# KiCad board panel.kicad_pcb (continued)
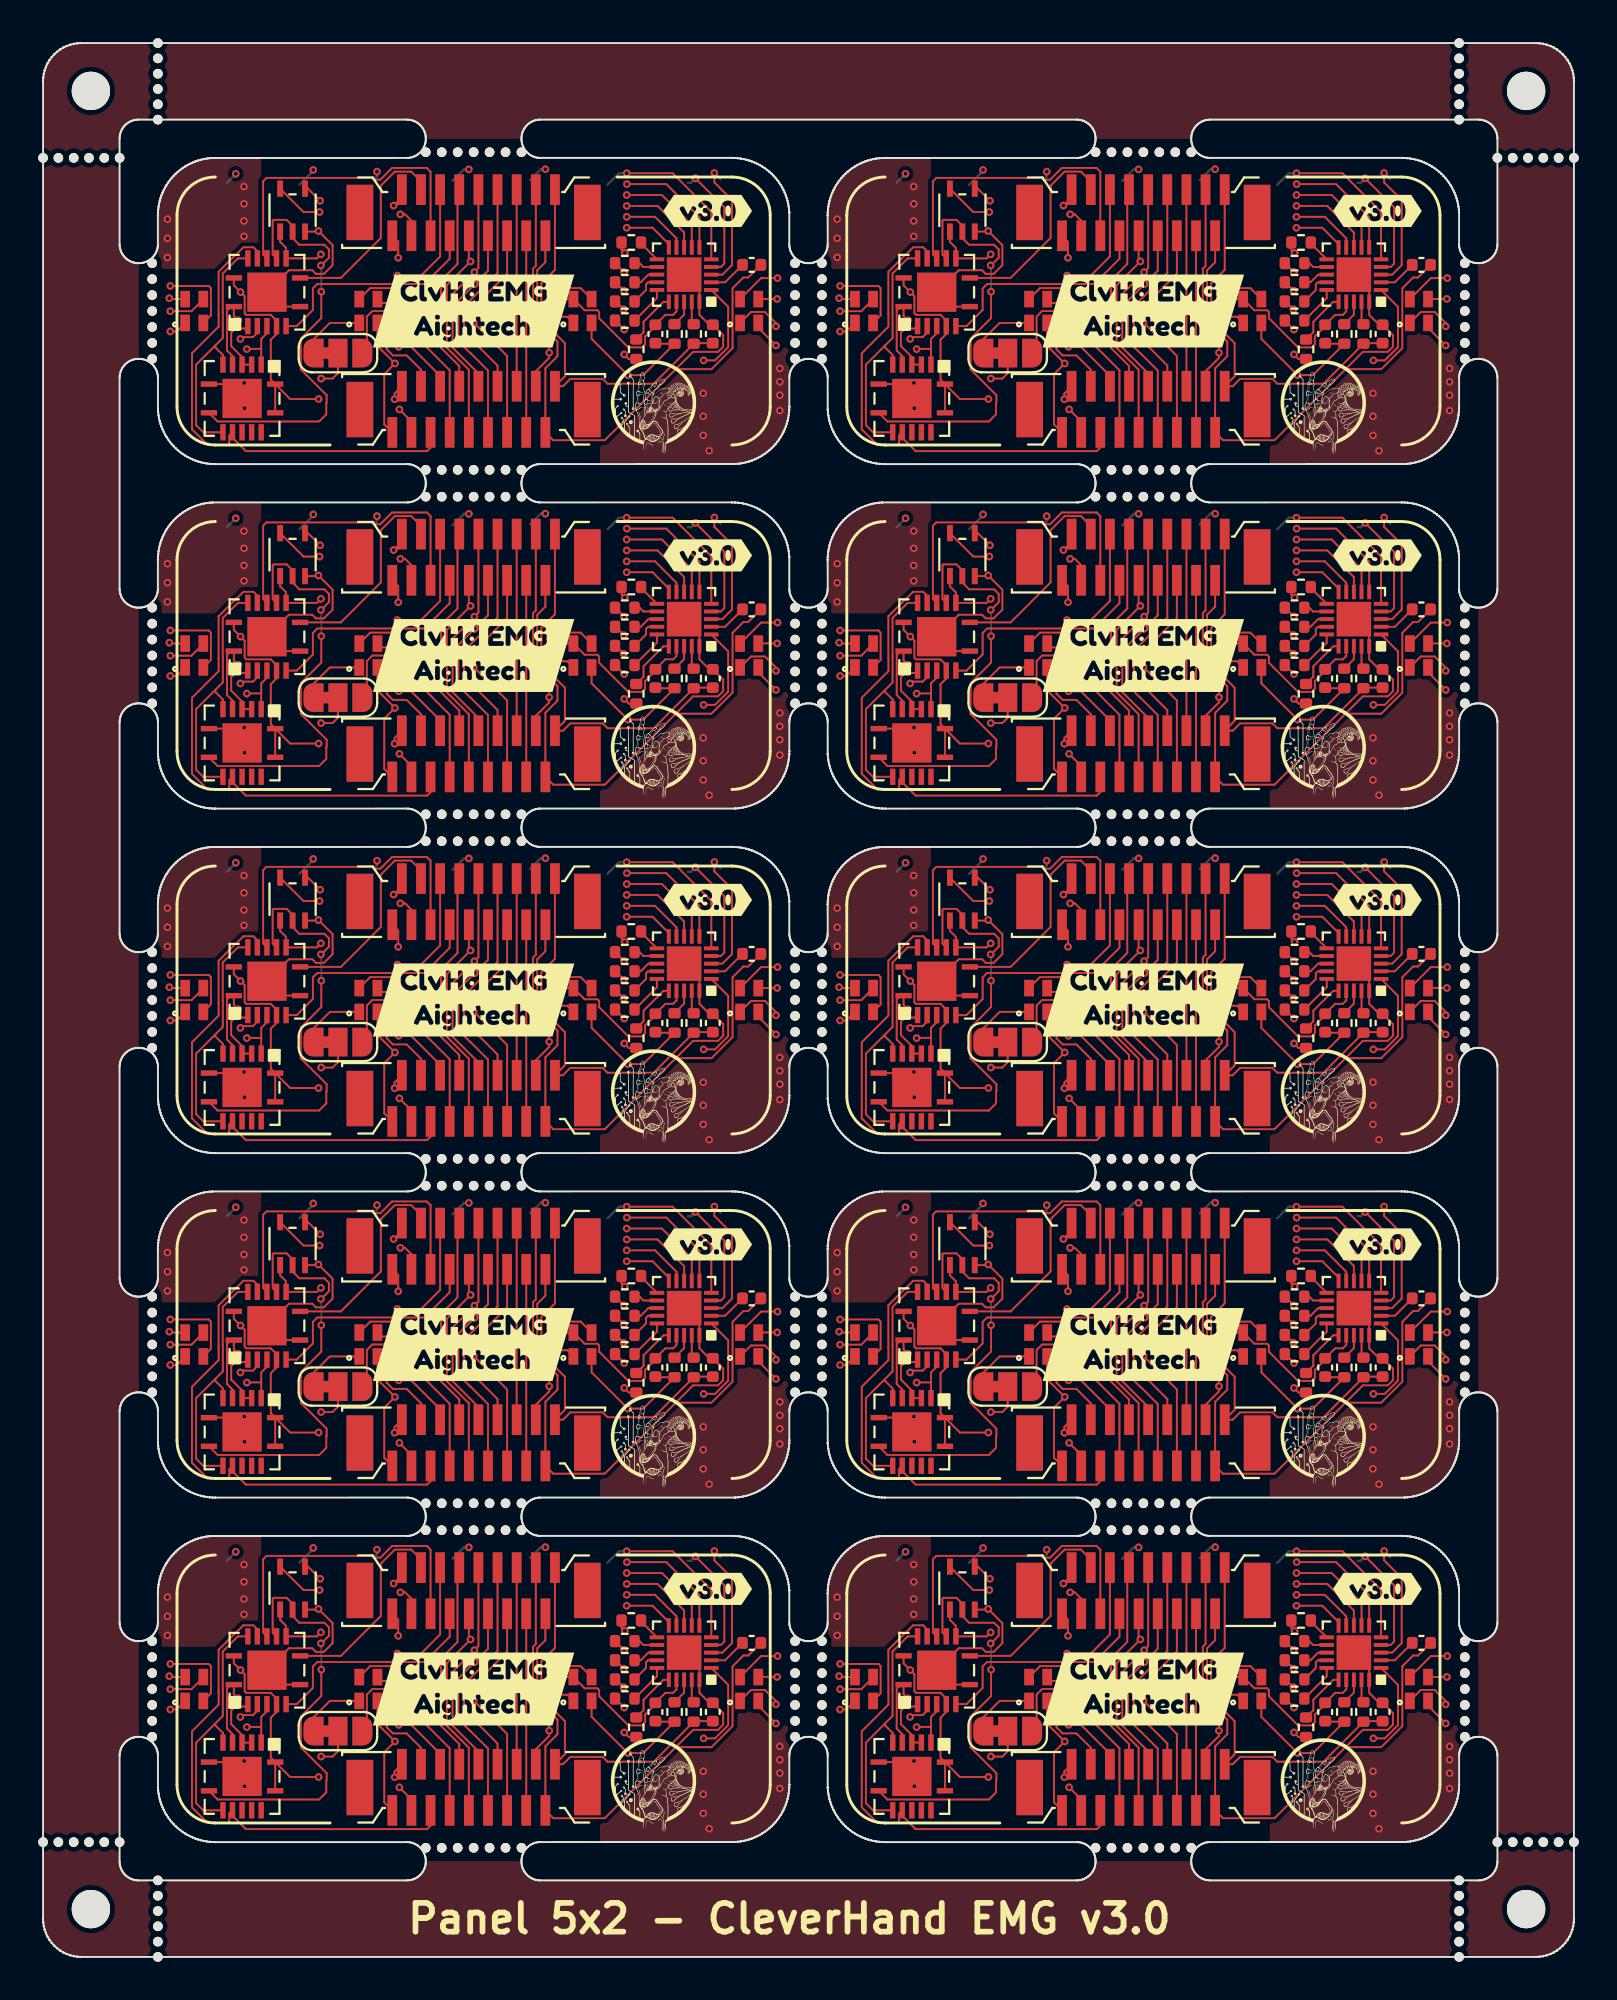
[diagram p0: board, top side]
## Routing (per net, layer and track width the routed paths; a pad name or vN(x,y) marks a point on that pad's centre or on a via; arc(x,y) is an arc through that point) (continued)
  In2.Cu w0.1: v1(65.37,29.73) 64.7,30.4 v1(57.5,30.4)
Board_7-/NEO_IN: length 17.9
  Front w0.1: v1(53.62,26.86) 54.25,26.23 J1#8.3 ; D1#8.1 41.98,30.93 v1(41.65,30.93)
  In2.Cu w0.1: v1(41.65,30.93) 42.22,30.93 48.43,24.72 51.48,24.72 v1(53.62,26.86)
Board_7-/NEO_OUT: length 34.6
  Front w0.1: v1(53.67,37.05) 53.92,37.05 54.25,36.72 J2#10.16 ; JP1#2.3 51.92,30.01 51.92,31.71 52.21,32 53.03,32 53.19,31.84 v1(53.41,31.84) ; v1(73.36,32.63) 72.38,32.63 D4#2.3
  In2.Cu w0.1: v1(53.41,31.84) 52.96,32.29 52.96,33.27 53.1,33.41 54.1,33.41 54.49,33.8 54.49,36.23 v1(53.67,37.05) 55.53,35.19 63.54,35.19 64.16,34.57 65.97,34.57 67.89,32.65 73.34,32.65 v1(73.36,32.63)
Board_7-/S0: length 11.9
  Front w0.1: U2#9.6 48.26,31.21 49.1,32.05 49.1,33.18 49.33,33.41 54.93,33.41 56.25,34.73 J2#10.12
Board_7-/S1: length 19.1
  Front w0.1: v1(53.51,33.85) 54.75,33.85 55.75,34.85 J2#10.13 ; v1(45.31,30.54) 45.41,30.64 45.97,30.64 46.2,30.87 U2#9.3
  In2.Cu w0.1: v1(53.51,33.85) 51.97,35.39 49.1,35.39 46.15,32.44 46.15,31.1 45.59,30.54 v1(45.31,30.54)
Board_7-/S2: length 16.7
  Front w0.1: J2#10.14 55.25,39.28 55.05,39.47 53.24,39.47 52.62,38.86 52.28,38.86 52.18,38.95 46.67,38.95 46.5,38.78 46.5,34.95 U2#9.11
Board_7-/S3: length 10.9
  Front w0.1: J2#10.15 54.75,38.77 54.24,39.28 53.38,39.28 52.65,38.55 52.65,35.82 50.56,33.73 U2#9.8
Board_7-/SCK: length 20.2
  Front w0.1: v1(65.36,34.04) 64.9,34.5 R5#8.2 ; J2#10.10 57.25,34.68 v1(57.34,34.59) 56.1,33.35 56.1,30.08 57.25,28.93 J1#8.9
  In2.Cu w0.1: v1(57.34,34.59) 57.37,34.56 63.34,34.56 63.86,34.04 v1(65.36,34.04)
Board_7-/SDI: length 20.2
  Front w0.1: J2#10.9 57.75,34.24 v1(57.54,34.03) 56.4,32.89 56.4,30.09 57.75,28.74 J1#8.10 ; R4#2.2 64.91,33.5 v1(65.35,33.06)
  In2.Cu w0.1: v1(57.54,34.03) 63.37,34.03 64.34,33.06 v1(65.35,33.06)
Board_7-/SDO: length 20.5
  Front w0.1: J1#8.11 58.25,28.89 57.34,29.8 57.33,29.8 56.7,30.43 56.7,32.55 v1(57.56,33.41) 58.25,34.1 J2#10.8 ; v1(65.34,32.09) 64.93,32.5 R3#9.2
  In2.Cu w0.1: v1(57.56,33.41) 62.72,33.41 64.04,32.09 v1(65.34,32.09)
Board_7-GND: length 29.1
  Front w0.1: U4#5.15 45.4,28.13 v1(45.51,28.24) ; U4#5.15 44.65,28.18 U4#5.7 ; U4#5.15 45.4,27.05 v1(45.53,26.92) ; v1(73.38,33.72) 72.52,33.72 71.42,32.62 ; v1(53.5,32.99) 53.3,33.19 52.1,33.19 D2#4.4 ; v1(61.5,32.3) 61.82,32.62 62.72,32.62 63.3,32.04 63.97,32.04 64.06,31.95 64.06,31.62 65.58,30.1 66.3,30.1 66.46,30.26 66.46,30.67 67,31.21 C2#4.2 67.52,31.8 67.93,31.8 68.1,31.97 U1#3.17 ; D1#8.4 41.64,32.62 v1(41.6,32.67) ; J1#8.2 53.37,27.69 v1(53.37,27.39) ; U5#8.3 49.36,36.15 v1(49.39,36.18) 50.13,35.44 50.13,34.4 49.67,33.94 49.26,33.94 49.07,34.13 47.85,34.13 U2#9.15 47.45,32.23 48.11,32.23 ; v1(53.32,37.51) 53.75,37.94 J2#10.17
  vias: v1(41.5,36.8) v1(41.5,35.8) v1(41.5,34.8) v1(45.5,38.5) v1(45.5,37.6) v1(45.5,36.7) v1(45.5,35.9) v1(69.5,27.7) v1(69.5,26.5) v1(69.5,25.5) v1(69.81,24.7) v1(73.5,29) v1(73.5,28.3) v1(73.5,27.6) v1(73.5,26.8)
Board_7-GNDA: length 35.9
  Front w0.1: J2#10.2 61.25,34.55 60.82,34.12 60.82,31.46 61.88,30.4 61.88,29.64 61.25,29.01 J1#8.17 61.66,25.25 64.35,25.25 68.97,29.87 70.27,29.87 70.54,30.13 70.54,30.74 C1#3.1 69.82,31.28 69.3,31.8 U1#3.20 69.3,33.1 U1#3.21 ; 68.08,28.96 69.93,28.96 71.03,30.06 71.03,33.19 71.6,33.75 71.85,33.75 C3#3.2
Board_7-Net-(D1-Pad3): length 13.4
  Front w0.1: v1(41.65,31.99) 42.76,31.99 43.38,32.61 D1#8.3 ; JP1#2.2 50.41,28.75 50.13,28.47 v1(49.53,28.47)
  In2.Cu w0.1: v1(41.65,31.99) 44.98,28.66 49.34,28.66 v1(49.53,28.47)
Board_7-Net-(D2-Pad1): length 3.5
  Front w0.1: JP1#2.1 49.11,30.5 49.99,31.38 D2#4.1
Board_7-Net-(D2-Pad3): length 10.8
  Front w0.1: v1(61.5,31.7) 62.39,31.7 62.72,31.38 ; v1(53.61,32.42) 52.68,32.42 D2#4.3
  In2.Cu w0.1: v1(61.5,31.7) 61.2,32 54.03,32 v1(53.61,32.42)
Board_7-Net-(D3-Pad3): length 18.2
  Front w0.1: 71.42,31.38 72,31.95 72.72,31.95 73.3,31.37 v1(73.3,31.2) ; D3#4.3 63.09,33.19 61.79,33.19 v1(61.5,32.9)
  In2.Cu w0.1: v1(61.5,32.9) 62.88,31.52 66.14,31.52 66.98,32.36 72.14,32.36 v1(73.3,31.2)
Board_7-Net-(J1-Pad8): length 11.1
  Front w0.1: J1#8.8 56.75,29.12 55.8,30.07 55.8,33.6 56.66,34.46 56.66,38.25 J2#10.11
Board_7-Net-(J1-Pad14): length 10.3
  Front w0.1: J1#8.14 J2#10.5
Board_7-Net-(J1-Pad15): length 10.3
  Front w0.1: J1#8.15 J2#10.4
Board_7-Net-(R1-Pad1): length 2.8
  Front w0.1: R1#7.1 66.38,30.89 66.38,31.44 67.42,32.48 U1#3.16
Board_7-Net-(R2-Pad1): length 2.1
  Front w0.1: R2#2.1 67.08,32.67 U1#3.15
Board_7-Net-(R3-Pad1): length 1.8
  Front w0.1: U1#3.14 66.62,33.5 66.51,33.39 66.51,33.1 R3#9.1
Board_7-Net-(R4-Pad1): length 1.3
  Front w0.1: R4#2.1 66.23,33.5 66.63,33.9 U1#3.13
Board_7-Net-(R5-Pad1): length 1.3
  Front w0.1: U1#3.12 66.37,34.3 66.17,34.5 R5#8.1
Board_7-Net-(R6-Pad1): length 1.2
  Front w0.1: U1#3.11 66.25,35.53 R6#4.1
Board_7-Net-(R7-Pad1): length 1.2
  Front w0.1: R7#10.1 68.9,31.41 U1#3.19
Board_7-Net-(R8-Pad1): length 1.4
  Front w0.1: U1#3.18 68.5,31.81 R8#9.1
Board_7-Net-(U1-Pad2): length 2
  Front w0.1: U1#3.2 70.64,33.5 C3#3.1
Board_8-+3.3V: length 77.7
  Front w0.1: v1(14.45,19.17) 13.61,19.17 U5#3.5 ; U4#8.1 U4#8.14 ; U4#8.1 12.91,9.4 v1(14.4,9.4) ; U4#8.1 11.9,10.41 11.9,12.5 12.2,12.8 12.2,13.5 11.9,13.8 10.62,13.8 10.53,13.88 10.53,14.78 v1(10.32,14.99) 9.97,15.34 U2#3.14 ; D2#3.2 17.48,12.17 v1(18.39,11.26) 17.83,10.7 17.83,8.08 J1#2.1 ; J2#8.18 18.56,17.62 v1(18.56,16.78) ; v1(38.3,12.2) 37.35,13.15 37.35,13.35 ; C2#10.1 32.03,12.29 R8#3.2 31.36,10.65 v1(30.56,10.65) 28.66,12.55 28.66,13.38 ; D1#9.2 8.77,13.77 8.77,15.19 8.66,15.31 v1(6.65,15.31)
  In2.Cu w0.1: v1(14.4,9.4) 16.53,9.4 v1(18.39,11.26) 18.39,10.09 19.36,9.12 29.3,9.12 30.56,10.38 v1(30.56,10.65) 30.58,10.63 36.73,10.63 v1(38.3,12.2) ; v1(6.65,15.31) 10,15.31 v1(10.32,14.99) 10.32,15.04 v1(14.45,19.17) 16.17,19.17 v1(18.56,16.78)
Board_8-+3.3VA: length 20.7
  Front w0.1: C1#7.2 34.03,12.32 R7#5.2 31.91,10.2 29.5,10.2 29.25,10.45 27.55,10.45 27.17,10.07 J1#2.18 27.27,10.59 27.27,12.32 26.04,13.55 26.04,15.44 26.75,16.15 J2#8.1
Board_8-/A0: length 17.8
  Front w0.1: J1#2.7 21.25,10.9 19.45,12.7 v1(18.43,12.7) ; 11.4,12.02 10.66,12.02 v1(10.65,12.01) ; 11.4,12.02 11.4,12.54 11.7,12.84 U2#3.4 ; 11.4,12.02 U4#8.2
  In2.Cu w0.1: v1(18.43,12.7) 16.45,12.7 15.85,12.1 10.74,12.1 v1(10.65,12.01)
Board_8-/A1: length 18.5
  Front w0.1: v1(18.59,12.13) 19.24,12.13 20.75,10.62 J1#2.6 ; v1(10.2,13.51) 9.97,13.74 U2#3.1 9.82,14.23 9.61,14.02 9.61,11.94 9.9,11.65 U4#8.5
  In2.Cu w0.1: v1(18.59,12.13) 17.04,12.13 16.31,11.4 10.39,11.4 9.88,11.91 9.88,13.19 v1(10.2,13.51)
Board_8-/A2: length 26.6
  Front w0.1: J1#2.5 20.25,6.86 20.07,6.68 10.6,6.68 9.9,7.38 U4#8.10 9.73,7.49 9.73,7.05 9.68,7 8.6,7 7.78,7.82 7.78,11.79 9.18,13.19 9.18,13.85 9.17,13.85 9.17,16.05 10.09,16.97 10.11,16.97 10.47,17.33 10.99,17.33 11.2,17.12 U2#3.12
Board_8-/A3: length 16.2
  Front w0.1: v1(18.63,13.28) 18.25,13.28 18.21,13.24 18.21,13.24 17.96,12.99 17.96,12 18.28,11.68 19,11.68 19.75,10.93 J1#2.4 ; v1(14.52,16.96) 14.31,16.75 U2#3.9 12.7,17.3 12.39,17.61 12.39,18.01
  In2.Cu w0.1: v1(18.63,13.28) 18.58,13.23 15.03,13.23 14.02,14.24 14.02,16.47 14.51,16.96 v1(14.52,16.96)
Board_8-/carry0: length 3.4
  Front w0.1: U2#3.2 10.58,13.09 10.05,13.09 9.83,12.87 9.83,12.17 10.4,11.6 U4#8.4 U4#8.3
Board_8-/carry1: length 12.9
  Front w0.1: 9,12.2 9.39,12.59 9.39,13.94 9.39,13.94 9.39,15.96 10.18,16.75 U2#3.13 ; 9,12.2 9,12.1 9.4,11.7 U4#8.6 ; 9,12.2 8,11.2 8,8.03 8.37,7.66 U4#8.9
Board_8-/carry2: length 22.5
  Front w0.1: U2#3.10 12,16.95 12,18.71 12.05,18.76 12.73,18.76 13.04,18.45 13.04,18.01 ; U4#8.8 9.12,8.23 14.43,8.23 14.8,8.6 14.8,9.21 14.82,9.23 14.82,9.6 13.47,10.95 13.47,12.56 14.54,13.63 v1(14.54,15.01) ; v1(14.52,16.38) 14.53,16.38 14.94,16.79 14.94,17.22 14.7,17.46 13.39,17.46 13.04,17.81 U5#3.2
  Back w0.1: v1(14.54,15.01) 14.54,16.36 v1(14.52,16.38)
Board_8-/CH0: length 6.9
  Front w0.1: U1#5.3 35.5,15.9 36,16.4 36,19.8 35.08,20.72 v1(35.08,21.21)
  Back w0.127: v1(35.08,21.21) 35.4,20.89
Board_8-/CH1: length 6.3
  Front w0.1: v1(34.09,20.93) 35.6,19.42 35.6,16.47 35.43,16.3 U1#5.4
  Back w0.127: 33.7,20.7 33.86,20.7 v1(34.09,20.93)
Board_8-/CH2: length 9
  Front w0.1: U1#5.5 34.92,19.18 32.9,21.2 v1(30.5,21.2)
  Back w0.127: 29.5,20.6 30.1,21.2 v1(30.5,21.2)
Board_8-/CH3: length 11.7
  Front w0.1: U1#5.6 34.3,18.9 32.57,20.63 v1(30.51,20.63)
  In2.Cu w0.1: v1(30.51,20.63) 30.48,20.6 27.06,20.6 v1(26.25,21.41)
  Back w0.127: 25.45,20.85 26.01,21.41 v1(26.25,21.41)
Board_8-/CH4: length 15.2
  Front w0.1: v1(30.5,20.06) 32.34,20.06 33.9,18.5 U1#5.7
  In2.Cu w0.1: v1(30.5,20.06) 30.44,20 26.67,20 25.21,21.46 22.31,21.46 v1(22.25,21.4)
  Back w0.127: v1(22.25,21.4) 22,21.4 21.4,20.8
Board_8-/CH5: length 18.6
  Front w0.1: v1(30.5,19.49) 32.11,19.49 33.5,18.1 U1#5.8
  In2.Cu w0.1: v1(30.5,19.49) 30.41,19.4 26.8,19.4 25.24,20.96 17.77,20.96 v1(17.45,21.28)
  Back w0.127: 17.39,20.97 17.45,21.03 v1(17.45,21.28)
Board_8-/CH6: length 22.1
  Front w0.1: v1(30.5,18.92) 31.98,18.92 33.1,17.8 U1#5.9
  In2.Cu w0.1: v1(30.5,18.92) 30.38,18.8 26.6,18.8 24.66,20.74 14.75,20.74 v1(14.12,21.37)
  Back w0.127: 13.4,20.6 14.12,21.32 v1(14.12,21.37)
Board_8-/CH7: length 25.2
  Front w0.1: v1(30.5,18.35) 31.85,18.35 32.7,17.5 U1#5.10
  In2.Cu w0.1: v1(30.5,18.35) 30.35,18.2 26.25,18.2 23.92,20.53 14.17,20.53 13.4,21.3 10.2,21.3 v1(10.07,21.17)
  Back w0.127: v1(10.07,21.17) 9.6,20.7
Board_8-/CH_REF: length 24.4
  Front w0.1: J1#2.16 25.75,10.85 26.45,11.55 v1(26.45,11.82) 26.45,12.52 25.61,13.37 25.61,16.21 25.75,16.36 J2#8.3 ; U1#5.1 35.8,14.22 35.8,12.11 35.11,11.42 v1(34.52,11.42)
  In2.Cu w0.1: v1(26.45,11.82) 27.19,11.08 34.18,11.08 v1(34.52,11.42)
Board_8-/cs_adc: length 19
  Front w0.1: R6#3.2 30.23,17.2 v1(30.4,17.03) ; v1(14.48,19.76) 13.85,20.39 U5#3.4
  In2.Cu w0.1: v1(30.4,17.03) 30.05,17.38 21.15,17.38 18.6,19.93 18.15,19.93 17.82,19.6 14.64,19.6 v1(14.48,19.76)
Board_8-/IRQ: length 20.4
  Front w0.1: J2#8.6 24.25,15.95 22.5,14.2 v1(22.5,13.4) 24.25,11.65 J1#2.13 ; v1(30.37,13.03) 29.9,13.5 R2#4.2
  In2.Cu w0.1: v1(30.37,13.03) 30.2,13.2 22.7,13.2 v1(22.5,13.4)
Board_8-/MCLK: length 20.6
  Front w0.1: v1(30.37,11.73) 30.61,11.49 R1.2 ; J1#2.12 23.75,11.15 v1(22.5,12.4) 22,12.9 22,14.24 23.75,15.99 J2#8.7
  In2.Cu w0.1: v1(30.37,11.73) 29.7,12.4 v1(22.5,12.4)
Board_8-/NEO_IN: length 17.9
  Front w0.1: v1(18.62,8.86) 19.25,8.23 J1#2.3 ; 7.42,13.38 6.98,12.93 v1(6.65,12.93)
  In2.Cu w0.1: v1(6.65,12.93) 7.22,12.93 13.43,6.72 16.48,6.72 v1(18.62,8.86)
Board_8-/NEO_OUT: length 34.6
  Front w0.1: v1(18.67,19.05) 18.92,19.05 19.25,18.72 J2#8.16 ; JP1#9.3 16.92,12.01 16.92,13.71 17.21,14 18.03,14 18.19,13.84 v1(18.41,13.84) ; v1(38.36,14.63) 37.38,14.63 D4#9.3
  In2.Cu w0.1: v1(18.41,13.84) 17.96,14.29 17.96,15.27 18.1,15.41 19.1,15.41 19.49,15.8 19.49,18.23 v1(18.67,19.05) 20.53,17.19 28.54,17.19 29.16,16.57 30.97,16.57 32.89,14.65 38.34,14.65 v1(38.36,14.63)
Board_8-/S0: length 11.9
  Front w0.1: U2#3.6 13.26,13.21 14.1,14.05 14.1,15.18 14.33,15.41 19.93,15.41 21.25,16.73 J2#8.12
Board_8-/S1: length 19.1
  Front w0.1: v1(18.51,15.85) 19.75,15.85 20.75,16.85 J2#8.13 ; v1(10.31,12.54) 10.41,12.64 10.97,12.64 11.2,12.87 U2#3.3
  In2.Cu w0.1: v1(18.51,15.85) 16.97,17.39 14.1,17.39 11.15,14.44 11.15,13.1 10.59,12.54 v1(10.31,12.54)
Board_8-/S2: length 16.7
  Front w0.1: J2#8.14 20.25,21.28 20.05,21.47 18.24,21.47 17.62,20.86 17.28,20.86 17.18,20.95 11.67,20.95 11.5,20.78 11.5,16.95 U2#3.11
Board_8-/S3: length 10.9
  Front w0.1: J2#8.15 19.75,20.77 19.24,21.28 18.38,21.28 17.65,20.55 17.65,17.82 15.56,15.73 U2#3.8
Board_8-/SCK: length 20.2
  Front w0.1: v1(30.36,16.04) 29.9,16.5 R5#2.2 ; J2#8.10 22.25,16.68 v1(22.34,16.59) 21.1,15.35 21.1,12.08 22.25,10.93 J1#2.9
  In2.Cu w0.1: v1(22.34,16.59) 22.37,16.56 28.34,16.56 28.86,16.04 v1(30.36,16.04)
Board_8-/SDI: length 20.2
  Front w0.1: J2#8.9 22.75,16.24 v1(22.54,16.03) 21.4,14.89 21.4,12.09 22.75,10.74 J1#2.10 ; R4#3.2 29.91,15.5 v1(30.35,15.06)
  In2.Cu w0.1: v1(22.54,16.03) 28.37,16.03 29.34,15.06 v1(30.35,15.06)
Board_8-/SDO: length 20.5
  Front w0.1: J1#2.11 23.25,10.89 22.34,11.8 22.33,11.8 21.7,12.43 21.7,14.55 v1(22.56,15.41) 23.25,16.1 J2#8.8 ; v1(30.34,14.09) 29.93,14.5 R3#2.2
  In2.Cu w0.1: v1(22.56,15.41) 27.72,15.41 29.04,14.09 v1(30.34,14.09)
Board_8-GND: length 29.1
  Front w0.1: U4#8.15 10.4,10.13 v1(10.51,10.24) ; U4#8.15 9.65,10.18 U4#8.7 ; U4#8.15 10.4,9.05 v1(10.53,8.92) ; v1(38.38,15.72) 37.52,15.72 D4#9.4 ; v1(18.5,14.99) 18.3,15.19 17.1,15.19 D2#3.4 ; v1(26.5,14.3) 26.82,14.62 D3#6.4 28.3,14.04 28.97,14.04 29.06,13.95 29.06,13.62 30.58,12.1 31.3,12.1 31.46,12.26 31.46,12.67 32,13.21 C2#10.2 32.52,13.8 32.93,13.8 33.1,13.97 U1#5.17 ; 7.42,14.62 6.64,14.62 v1(6.6,14.67) ; J1#2.2 18.37,9.69 v1(18.37,9.39) ; U5#3.3 14.36,18.15 v1(14.39,18.18) 15.13,17.44 15.13,16.4 14.67,15.94 14.26,15.94 14.07,16.13 12.85,16.13 U2#3.15 12.45,14.23 13.11,14.23 ; v1(18.32,19.51) 18.75,19.94 J2#8.17
  vias: v1(6.5,18.8) v1(6.5,17.8) v1(6.5,16.8) v1(10.5,20.5) v1(10.5,19.6) v1(10.5,18.7) v1(10.5,17.9) v1(34.5,9.7) v1(34.5,8.5) v1(34.5,7.5) v1(34.81,6.7) v1(38.5,11) v1(38.5,10.3) v1(38.5,9.6) v1(38.5,8.8)
Board_8-GNDA: length 35.9
  Front w0.1: J2#8.2 26.25,16.55 25.82,16.12 25.82,13.46 26.88,12.4 26.88,11.64 26.25,11.01 J1#2.17 26.66,7.25 29.35,7.25 33.97,11.87 35.27,11.87 35.54,12.13 35.54,12.74 C1#7.1 34.82,13.28 34.3,13.8 U1#5.20 34.3,15.1 U1#5.21 ; 33.08,10.96 34.93,10.96 36.03,12.06 36.03,15.19 36.6,15.75 36.85,15.75 C3#7.2
Board_8-Net-(D1-Pad3): length 13.4
  Front w0.1: v1(6.65,13.99) 7.76,13.99 8.38,14.61 D1#9.3 ; JP1#9.2 15.41,10.75 15.13,10.47 v1(14.53,10.47)
  In2.Cu w0.1: v1(6.65,13.99) 9.98,10.66 14.34,10.66 v1(14.53,10.47)
Board_8-Net-(D2-Pad1): length 3.5
  Front w0.1: JP1#9.1 14.11,12.5 14.99,13.38 D2#3.1
Board_8-Net-(D2-Pad3): length 10.8
  Front w0.1: v1(26.5,13.7) 27.39,13.7 D3#6.1 ; v1(18.61,14.42) 17.68,14.42 D2#3.3
  In2.Cu w0.1: v1(26.5,13.7) 26.2,14 19.03,14 v1(18.61,14.42)
Board_8-Net-(D3-Pad3): length 18.2
  Front w0.1: D4#9.1 37,13.95 37.72,13.95 38.3,13.37 v1(38.3,13.2) ; 28.66,14.62 28.09,15.19 26.79,15.19 v1(26.5,14.9)
  In2.Cu w0.1: v1(26.5,14.9) 27.88,13.52 31.14,13.52 31.98,14.36 37.14,14.36 v1(38.3,13.2)
Board_8-Net-(J1-Pad8): length 11.1
  Front w0.1: J1#2.8 21.75,11.12 20.8,12.07 20.8,15.6 21.66,16.46 21.66,20.25 J2#8.11
Board_8-Net-(J1-Pad14): length 10.3
  Front w0.1: J1#2.14 J2#8.5
Board_8-Net-(J1-Pad15): length 10.3
  Front w0.1: J1#2.15 J2#8.4
Board_8-Net-(R1-Pad1): length 2.8
  Front w0.1: R1.1 31.38,12.89 31.38,13.44 32.42,14.48 U1#5.16
Board_8-Net-(R2-Pad1): length 2.1
  Front w0.1: R2#4.1 32.08,14.67 U1#5.15
Board_8-Net-(R3-Pad1): length 1.8
  Front w0.1: U1#5.14 31.62,15.5 31.51,15.39 31.51,15.1 R3#2.1
Board_8-Net-(R4-Pad1): length 1.3
  Front w0.1: R4#3.1 31.23,15.5 31.63,15.9 U1#5.13
Board_8-Net-(R5-Pad1): length 1.3
  Front w0.1: U1#5.12 31.37,16.3 31.17,16.5 R5#2.1
Board_8-Net-(R6-Pad1): length 1.2
  Front w0.1: U1#5.11 31.25,17.53 R6#3.1
Board_8-Net-(R7-Pad1): length 1.2
  Front w0.1: R7#5.1 33.9,13.41 U1#5.19
Board_8-Net-(R8-Pad1): length 1.4
  Front w0.1: U1#5.18 33.5,13.81 R8#3.1
Board_8-Net-(U1-Pad2): length 2
  Front w0.1: U1#5.2 35.64,15.5 C3#7.1
Board_9-+3.3V: length 77.7
  Front w0.1: v1(49.45,19.17) 48.61,19.17 U5.5 ; U4#6.1 U4#6.14 ; U4#6.1 47.91,9.4 v1(49.4,9.4) ; U4#6.1 46.9,10.41 46.9,12.5 47.2,12.8 47.2,13.5 46.9,13.8 45.62,13.8 45.53,13.88 45.53,14.78 v1(45.32,14.99) 44.97,15.34 U2#7.14 ; D2#7.2 52.48,12.17 v1(53.39,11.26) 52.83,10.7 52.83,8.08 J1#4.1 ; J2#2.18 53.56,17.62 v1(53.56,16.78) ; v1(73.3,12.2) 72.35,13.15 72.35,13.35 ; C2#6.1 67.03,12.29 R8#7.2 66.36,10.65 v1(65.56,10.65) 63.66,12.55 D3#5.2 ; D1#4.2 43.77,13.77 43.77,15.19 43.66,15.31 v1(41.65,15.31)
  In2.Cu w0.1: v1(49.4,9.4) 51.53,9.4 v1(53.39,11.26) 53.39,10.09 54.36,9.12 64.3,9.12 65.56,10.38 v1(65.56,10.65) 65.58,10.63 71.73,10.63 v1(73.3,12.2) ; v1(41.65,15.31) 45,15.31 v1(45.32,14.99) 45.32,15.04 v1(49.45,19.17) 51.17,19.17 v1(53.56,16.78)
Board_9-+3.3VA: length 20.7
  Front w0.1: C1.2 69.03,12.32 R7#8.2 66.91,10.2 64.5,10.2 64.25,10.45 62.55,10.45 62.17,10.07 J1#4.18 62.27,10.59 62.27,12.32 61.04,13.55 61.04,15.44 61.75,16.15 J2#2.1
Board_9-/A0: length 17.8
  Front w0.1: J1#4.7 56.25,10.9 54.45,12.7 v1(53.43,12.7) ; 46.4,12.02 45.66,12.02 v1(45.65,12.01) ; 46.4,12.02 46.4,12.54 46.7,12.84 U2#7.4 ; 46.4,12.02 U4#6.2
  In2.Cu w0.1: v1(53.43,12.7) 51.45,12.7 50.85,12.1 45.74,12.1 v1(45.65,12.01)
Board_9-/A1: length 18.5
  Front w0.1: v1(53.59,12.13) 54.24,12.13 55.75,10.62 J1#4.6 ; v1(45.2,13.51) 44.97,13.74 U2#7.1 44.82,14.23 44.61,14.02 44.61,11.94 44.9,11.65 U4#6.5
  In2.Cu w0.1: v1(53.59,12.13) 52.04,12.13 51.31,11.4 45.39,11.4 44.88,11.91 44.88,13.19 v1(45.2,13.51)
Board_9-/A2: length 26.6
  Front w0.1: J1#4.5 55.25,6.86 55.07,6.68 45.6,6.68 44.9,7.38 U4#6.10 44.73,7.49 44.73,7.05 44.68,7 43.6,7 42.78,7.82 42.78,11.79 44.18,13.19 44.18,13.85 44.17,13.85 44.17,16.05 45.09,16.97 45.11,16.97 45.47,17.33 45.99,17.33 46.2,17.12 U2#7.12
Board_9-/A3: length 16.2
  Front w0.1: v1(53.63,13.28) 53.25,13.28 53.21,13.24 53.21,13.24 52.96,12.99 52.96,12 53.28,11.68 54,11.68 54.75,10.93 J1#4.4 ; v1(49.52,16.96) 49.31,16.75 U2#7.9 47.7,17.3 47.39,17.61 47.39,18.01
  In2.Cu w0.1: v1(53.63,13.28) 53.58,13.23 50.03,13.23 49.02,14.24 49.02,16.47 49.51,16.96 v1(49.52,16.96)
Board_9-/carry0: length 3.4
  Front w0.1: U2#7.2 45.58,13.09 45.05,13.09 44.83,12.87 44.83,12.17 45.4,11.6 U4#6.4 U4#6.3
Board_9-/carry1: length 12.9
  Front w0.1: 44,12.2 44.39,12.59 44.39,13.94 44.39,13.94 44.39,15.96 45.18,16.75 U2#7.13 ; 44,12.2 44,12.1 44.4,11.7 U4#6.6 ; 44,12.2 43,11.2 43,8.03 43.37,7.66 U4#6.9
Board_9-/carry2: length 22.5
  Front w0.1: U2#7.10 47,16.95 47,18.71 47.05,18.76 47.73,18.76 48.04,18.45 48.04,18.01 ; U4#6.8 44.12,8.23 49.43,8.23 49.8,8.6 49.8,9.21 49.82,9.23 49.82,9.6 48.47,10.95 48.47,12.56 49.54,13.63 v1(49.54,15.01) ; v1(49.52,16.38) 49.53,16.38 49.94,16.79 49.94,17.22 49.7,17.46 48.39,17.46 48.04,17.81 U5.2
  Back w0.1: v1(49.54,15.01) 49.54,16.36 v1(49.52,16.38)
Board_9-/CH0: length 6.9
  Front w0.1: U1#2.3 70.5,15.9 71,16.4 71,19.8 70.08,20.72 v1(70.08,21.21)
  Back w0.127: v1(70.08,21.21) 70.4,20.89
Board_9-/CH1: length 6.3
  Front w0.1: v1(69.09,20.93) 70.6,19.42 70.6,16.47 70.43,16.3 U1#2.4
  Back w0.127: 68.7,20.7 68.86,20.7 v1(69.09,20.93)
Board_9-/CH2: length 9
  Front w0.1: U1#2.5 69.92,19.18 67.9,21.2 v1(65.5,21.2)
  Back w0.127: 64.5,20.6 65.1,21.2 v1(65.5,21.2)
Board_9-/CH3: length 11.7
  Front w0.1: U1#2.6 69.3,18.9 67.57,20.63 v1(65.51,20.63)
  In2.Cu w0.1: v1(65.51,20.63) 65.48,20.6 62.06,20.6 v1(61.25,21.41)
  Back w0.127: 60.45,20.85 61.01,21.41 v1(61.25,21.41)
Board_9-/CH4: length 15.2
  Front w0.1: v1(65.5,20.06) 67.34,20.06 68.9,18.5 U1#2.7
  In2.Cu w0.1: v1(65.5,20.06) 65.44,20 61.67,20 60.21,21.46 57.31,21.46 v1(57.25,21.4)
  Back w0.127: v1(57.25,21.4) 57,21.4 56.4,20.8
Board_9-/CH5: length 18.6
  Front w0.1: v1(65.5,19.49) 67.11,19.49 68.5,18.1 U1#2.8
  In2.Cu w0.1: v1(65.5,19.49) 65.41,19.4 61.8,19.4 60.24,20.96 52.77,20.96 v1(52.45,21.28)
  Back w0.127: 52.39,20.97 52.45,21.03 v1(52.45,21.28)
Board_9-/CH6: length 22.1
  Front w0.1: v1(65.5,18.92) 66.98,18.92 68.1,17.8 U1#2.9
  In2.Cu w0.1: v1(65.5,18.92) 65.38,18.8 61.6,18.8 59.66,20.74 49.75,20.74 v1(49.12,21.37)
  Back w0.127: 48.4,20.6 49.12,21.32 v1(49.12,21.37)
Board_9-/CH7: length 25.2
  Front w0.1: v1(65.5,18.35) 66.85,18.35 67.7,17.5 U1#2.10
  In2.Cu w0.1: v1(65.5,18.35) 65.35,18.2 61.25,18.2 58.92,20.53 49.17,20.53 48.4,21.3 45.2,21.3 v1(45.07,21.17)
  Back w0.127: v1(45.07,21.17) 44.6,20.7
Board_9-/CH_REF: length 24.4
  Front w0.1: J1#4.16 60.75,10.85 61.45,11.55 v1(61.45,11.82) 61.45,12.52 60.61,13.37 60.61,16.21 60.75,16.36 J2#2.3 ; U1#2.1 70.8,14.22 70.8,12.11 70.11,11.42 v1(69.52,11.42)
  In2.Cu w0.1: v1(61.45,11.82) 62.19,11.08 69.18,11.08 v1(69.52,11.42)
Board_9-/cs_adc: length 19
  Front w0.1: R6#2.2 65.23,17.2 v1(65.4,17.03) ; v1(49.48,19.76) 48.85,20.39 U5.4
  In2.Cu w0.1: v1(65.4,17.03) 65.05,17.38 56.15,17.38 53.6,19.93 53.15,19.93 52.82,19.6 49.64,19.6 v1(49.48,19.76)
Board_9-/IRQ: length 20.4
  Front w0.1: J2#2.6 59.25,15.95 57.5,14.2 v1(57.5,13.4) 59.25,11.65 J1#4.13 ; v1(65.37,13.03) 64.9,13.5 R2#10.2
  In2.Cu w0.1: v1(65.37,13.03) 65.2,13.2 57.7,13.2 v1(57.5,13.4)
Board_9-/MCLK: length 20.6
  Front w0.1: v1(65.37,11.73) 65.61,11.49 R1#3.2 ; J1#4.12 58.75,11.15 v1(57.5,12.4) 57,12.9 57,14.24 58.75,15.99 J2#2.7
  In2.Cu w0.1: v1(65.37,11.73) 64.7,12.4 v1(57.5,12.4)
Board_9-/NEO_IN: length 17.9
  Front w0.1: v1(53.62,8.86) 54.25,8.23 J1#4.3 ; D1#4.1 41.98,12.93 v1(41.65,12.93)
  In2.Cu w0.1: v1(41.65,12.93) 42.22,12.93 48.43,6.72 51.48,6.72 v1(53.62,8.86)
Board_9-/NEO_OUT: length 34.6
  Front w0.1: v1(53.67,19.05) 53.92,19.05 54.25,18.72 J2#2.16 ; JP1#8.3 51.92,12.01 51.92,13.71 52.21,14 53.03,14 53.19,13.84 v1(53.41,13.84) ; v1(73.36,14.63) 72.38,14.63 D4#10.3
  In2.Cu w0.1: v1(53.41,13.84) 52.96,14.29 52.96,15.27 53.1,15.41 54.1,15.41 54.49,15.8 54.49,18.23 v1(53.67,19.05) 55.53,17.19 63.54,17.19 64.16,16.57 65.97,16.57 67.89,14.65 73.34,14.65 v1(73.36,14.63)
Board_9-/S0: length 11.9
  Front w0.1: U2#7.6 48.26,13.21 49.1,14.05 49.1,15.18 49.33,15.41 54.93,15.41 56.25,16.73 J2#2.12
Board_9-/S1: length 19.1
  Front w0.1: v1(53.51,15.85) 54.75,15.85 55.75,16.85 J2#2.13 ; v1(45.31,12.54) 45.41,12.64 45.97,12.64 46.2,12.87 U2#7.3
  In2.Cu w0.1: v1(53.51,15.85) 51.97,17.39 49.1,17.39 46.15,14.44 46.15,13.1 45.59,12.54 v1(45.31,12.54)
Board_9-/S2: length 16.7
  Front w0.1: J2#2.14 55.25,21.28 55.05,21.47 53.24,21.47 52.62,20.86 52.28,20.86 52.18,20.95 46.67,20.95 46.5,20.78 46.5,16.95 U2#7.11
Board_9-/S3: length 10.9
  Front w0.1: J2#2.15 54.75,20.77 54.24,21.28 53.38,21.28 52.65,20.55 52.65,17.82 50.56,15.73 U2#7.8
Board_9-/SCK: length 20.2
  Front w0.1: v1(65.36,16.04) 64.9,16.5 R5#9.2 ; J2#2.10 57.25,16.68 v1(57.34,16.59) 56.1,15.35 56.1,12.08 57.25,10.93 J1#4.9
  In2.Cu w0.1: v1(57.34,16.59) 57.37,16.56 63.34,16.56 63.86,16.04 v1(65.36,16.04)
Board_9-/SDI: length 20.2
  Front w0.1: J2#2.9 57.75,16.24 v1(57.54,16.03) 56.4,14.89 56.4,12.09 57.75,10.74 J1#4.10 ; R4.2 64.91,15.5 v1(65.35,15.06)
  In2.Cu w0.1: v1(57.54,16.03) 63.37,16.03 64.34,15.06 v1(65.35,15.06)
Board_9-/SDO: length 20.5
  Front w0.1: J1#4.11 58.25,10.89 57.34,11.8 57.33,11.8 56.7,12.43 56.7,14.55 v1(57.56,15.41) 58.25,16.1 J2#2.8 ; v1(65.34,14.09) 64.93,14.5 R3#10.2
  In2.Cu w0.1: v1(57.56,15.41) 62.72,15.41 64.04,14.09 v1(65.34,14.09)
Board_9-GND: length 29.1
  Front w0.1: U4#6.15 45.4,10.13 v1(45.51,10.24) ; U4#6.15 44.65,10.18 U4#6.7 ; U4#6.15 45.4,9.05 v1(45.53,8.92) ; v1(73.38,15.72) 72.52,15.72 71.42,14.62 ; v1(53.5,14.99) 53.3,15.19 52.1,15.19 D2#7.4 ; v1(61.5,14.3) 61.82,14.62 62.72,14.62 63.3,14.04 63.97,14.04 64.06,13.95 64.06,13.62 65.58,12.1 66.3,12.1 66.46,12.26 66.46,12.67 67,13.21 C2#6.2 67.52,13.8 67.93,13.8 68.1,13.97 U1#2.17 ; D1#4.4 41.64,14.62 v1(41.6,14.67) ; J1#4.2 53.37,9.69 v1(53.37,9.39) ; U5.3 49.36,18.15 v1(49.39,18.18) 50.13,17.44 50.13,16.4 49.67,15.94 49.26,15.94 49.07,16.13 47.85,16.13 U2#7.15 47.45,14.23 48.11,14.23 ; v1(53.32,19.51) 53.75,19.94 J2#2.17
  vias: v1(41.5,18.8) v1(41.5,17.8) v1(41.5,16.8) v1(45.5,20.5) v1(45.5,19.6) v1(45.5,18.7) v1(45.5,17.9) v1(69.5,9.7) v1(69.5,8.5) v1(69.5,7.5) v1(69.81,6.7) v1(73.5,11) v1(73.5,10.3) v1(73.5,9.6) v1(73.5,8.8)
Board_9-GNDA: length 35.9
  Front w0.1: J2#2.2 61.25,16.55 60.82,16.12 60.82,13.46 61.88,12.4 61.88,11.64 61.25,11.01 J1#4.17 61.66,7.25 64.35,7.25 68.97,11.87 70.27,11.87 70.54,12.13 70.54,12.74 C1.1 69.82,13.28 69.3,13.8 U1#2.20 69.3,15.1 U1#2.21 ; 68.08,10.96 69.93,10.96 71.03,12.06 71.03,15.19 71.6,15.75 71.85,15.75 C3.2
Board_9-Net-(D1-Pad3): length 13.4
  Front w0.1: v1(41.65,13.99) 42.76,13.99 43.38,14.61 D1#4.3 ; JP1#8.2 50.41,10.75 50.13,10.47 v1(49.53,10.47)
  In2.Cu w0.1: v1(41.65,13.99) 44.98,10.66 49.34,10.66 v1(49.53,10.47)
Board_9-Net-(D2-Pad1): length 3.5
  Front w0.1: JP1#8.1 49.11,12.5 49.99,13.38 D2#7.1
Board_9-Net-(D2-Pad3): length 10.8
  Front w0.1: v1(61.5,13.7) 62.39,13.7 62.72,13.38 ; v1(53.61,14.42) 52.68,14.42 D2#7.3
  In2.Cu w0.1: v1(61.5,13.7) 61.2,14 54.03,14 v1(53.61,14.42)
Board_9-Net-(D3-Pad3): length 18.2
  Front w0.1: 71.42,13.38 72,13.95 72.72,13.95 73.3,13.37 v1(73.3,13.2) ; D3#5.3 63.09,15.19 61.79,15.19 v1(61.5,14.9)
  In2.Cu w0.1: v1(61.5,14.9) 62.88,13.52 66.14,13.52 66.98,14.36 72.14,14.36 v1(73.3,13.2)
Board_9-Net-(J1-Pad8): length 11.1
  Front w0.1: J1#4.8 56.75,11.12 55.8,12.07 55.8,15.6 56.66,16.46 56.66,20.25 J2#2.11
Board_9-Net-(J1-Pad14): length 10.3
  Front w0.1: J1#4.14 J2#2.5
Board_9-Net-(J1-Pad15): length 10.3
  Front w0.1: J1#4.15 J2#2.4
Board_9-Net-(R1-Pad1): length 2.8
  Front w0.1: R1#3.1 66.38,12.89 66.38,13.44 67.42,14.48 U1#2.16
Board_9-Net-(R2-Pad1): length 2.1
  Front w0.1: R2#10.1 67.08,14.67 U1#2.15
Board_9-Net-(R3-Pad1): length 1.8
  Front w0.1: U1#2.14 66.62,15.5 66.51,15.39 66.51,15.1 R3#10.1
Board_9-Net-(R4-Pad1): length 1.3
  Front w0.1: R4.1 66.23,15.5 66.63,15.9 U1#2.13
